# Altium PCB Bidir_Active_Rectifier-Main_Board.PcbDoc (part 1 of 3) (continued)
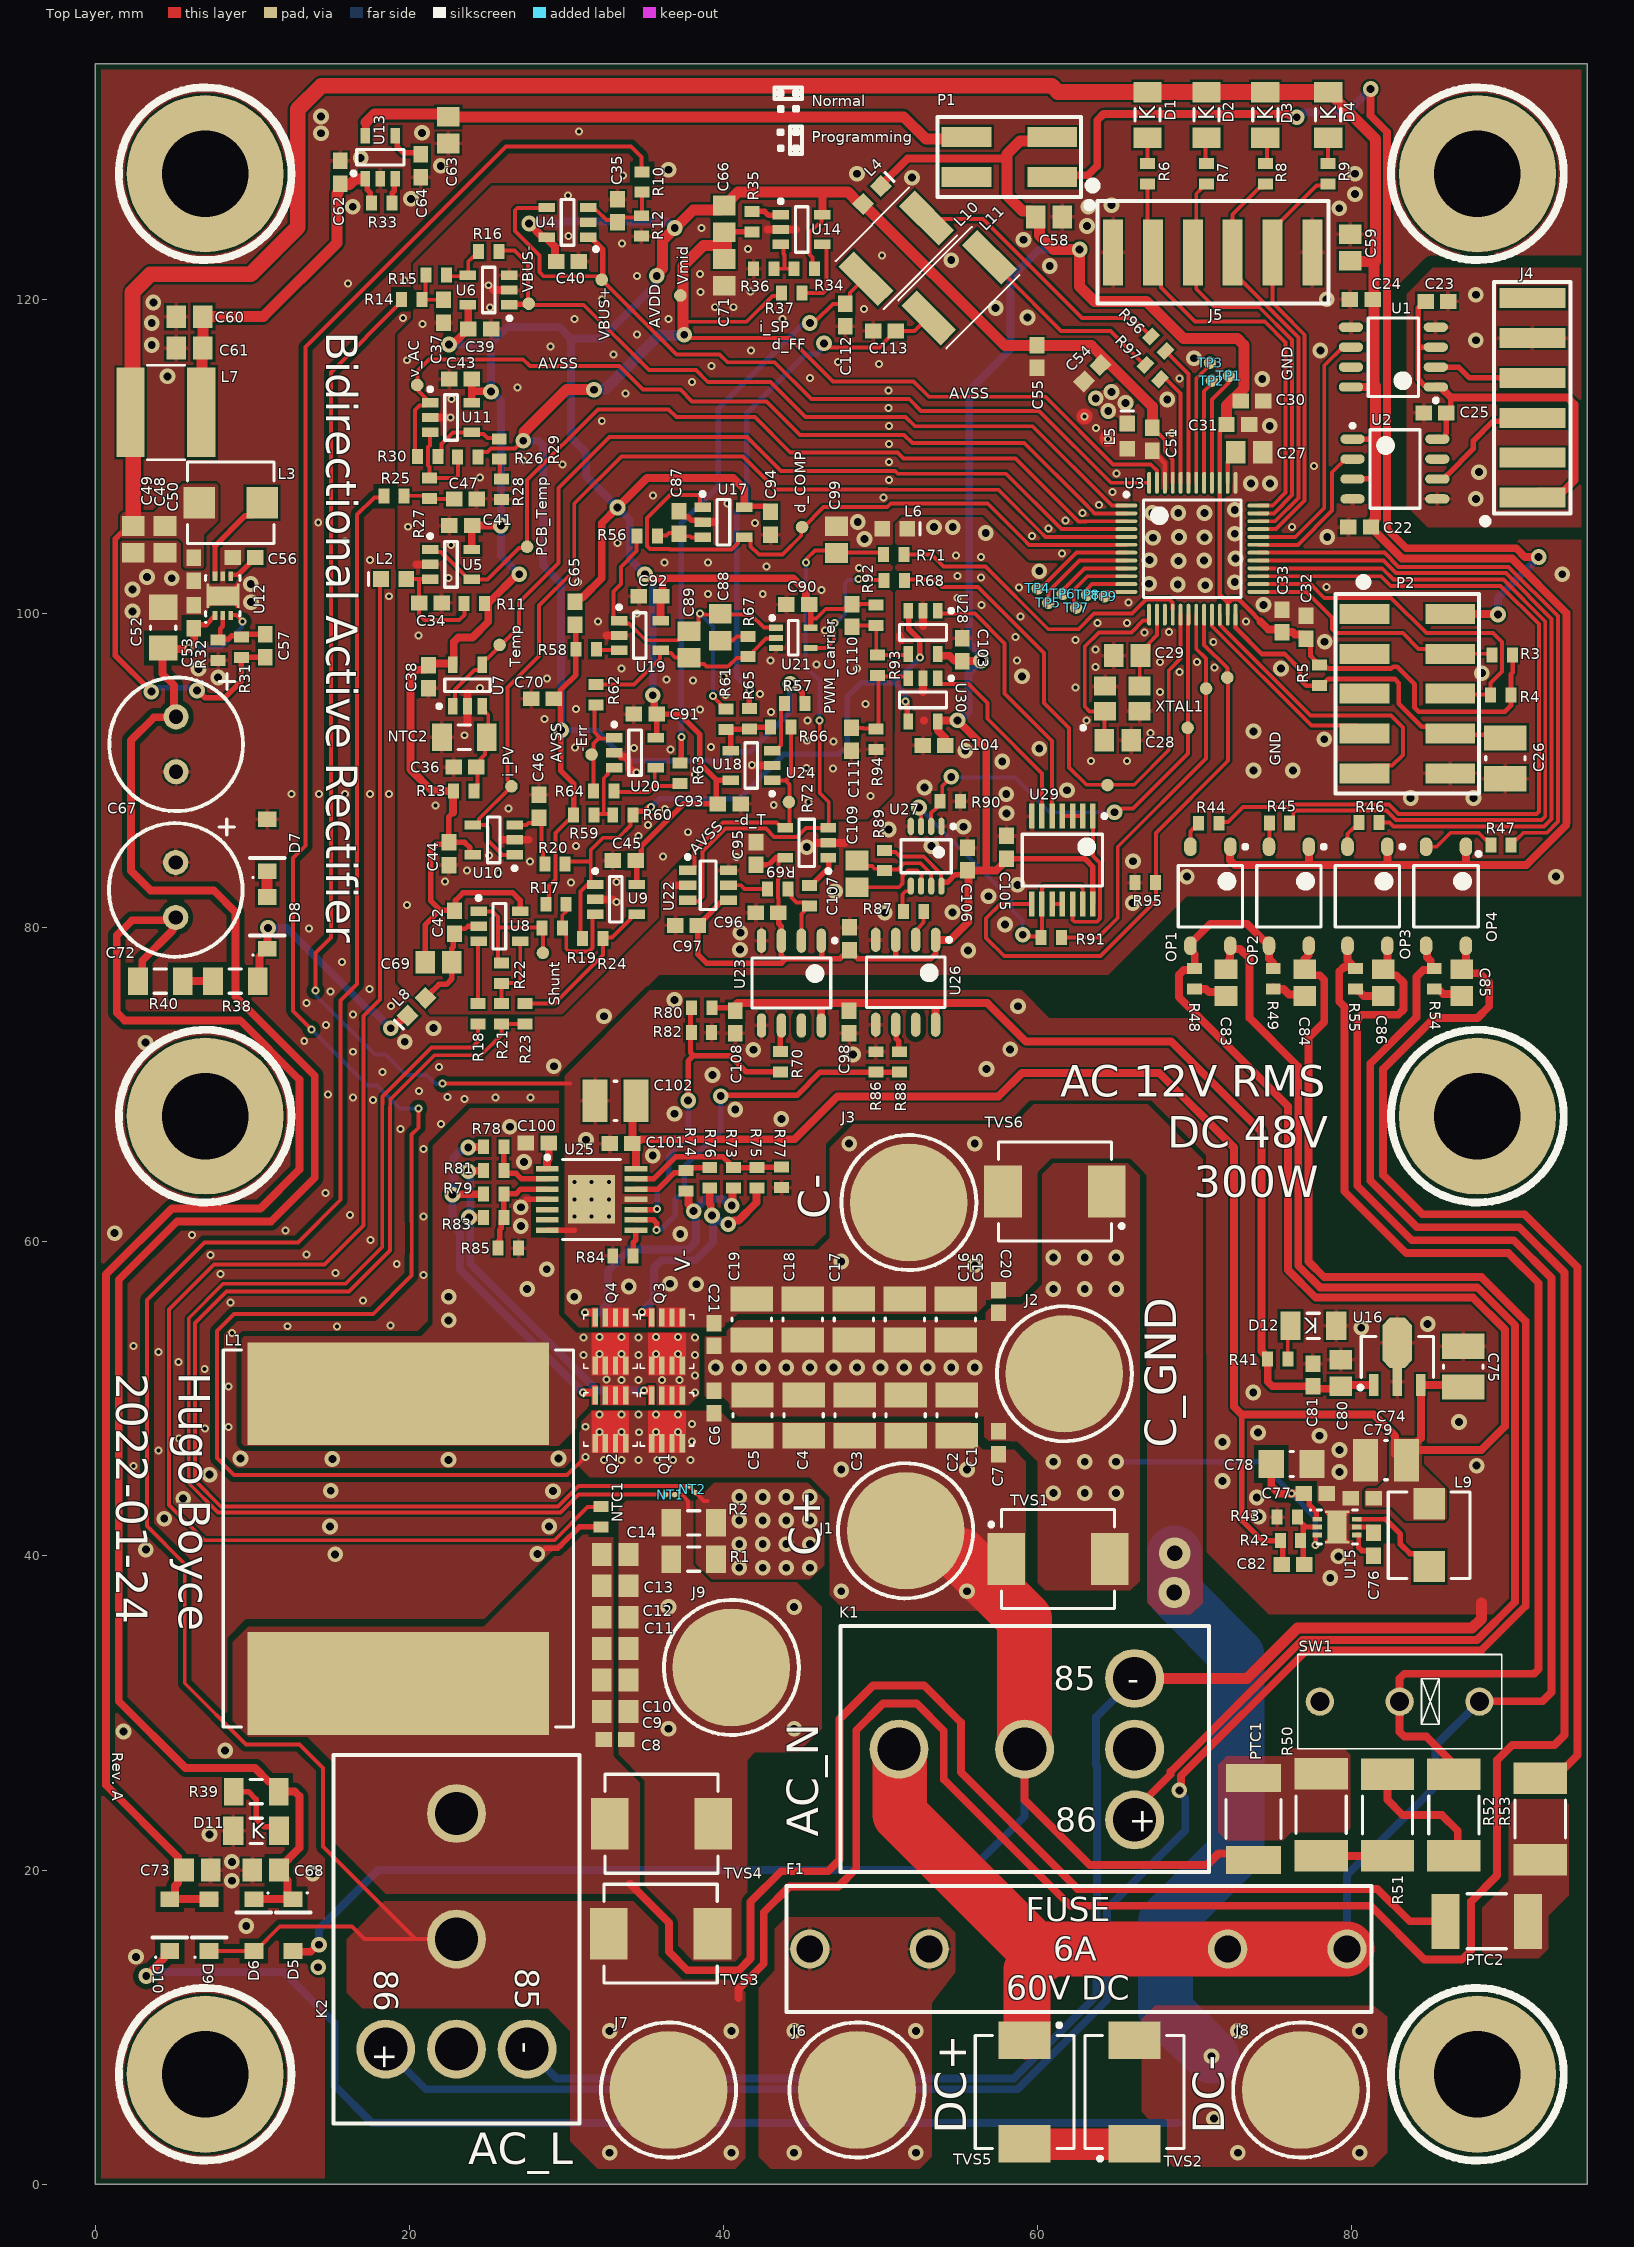
[diagram p0: Top Layer view]
## Part data (continued)
  C74: ClassName="Power Components"
C28 C29 C31 C32 C35 C37 C46 C47 C54 C55 C83 C84 C85 C86 C87 C88 C89 C109: "Capacitor", LatestRevisionDate=17-Jul-2002, LatestRevisionNote="Re-released for DXP Platform.", Published=8-Jun-2000, Publisher="Altium Limited"
  C28 C29: PackageDescription="Radial Cap, Thru-Hole; 2 Leads; 0.3 in Pin Spacing", PackageReference=RAD-0.3, Type=NP0/C0G
  C31 C32 C54 C55: ClassName="Power Components"
C48 C60 C63 C66: "Cap Ceramic 22uF 6.3V X5R 10% Pad SMD 0805 85°C T/R", Capacitance=22uF, Case Code (Imperial)=0805, Case Code (Metric)=2012, Manufacturer=Samsung, Max Operating Temperature=85°C, Min Operating Temperature=-55°C, Supplier Part Number 1=1276-6687-1-ND, Tolerance=10%, Voltage Rating=6.3V, Case/Package=0805, Category="Ceramic Capacitors", ComponentLink1Description=http://www.samsungsem.com/kr/support/product-search/mlcc/CL21A226KQCLRNC.jsp?src-supplier=Digi-Key, ComponentLink1URL=http://www.samsungsem.com/kr/support/product-search/mlcc/CL21A226KQCLRNC.jsp?src-supplier=Digi-Key, Length=0.079inch, Manufacturer Part Number=CL21A226KQCLRNC, Material=X5R, Mount="Surface Mount", Packaging="Tape and Reel", Pricing 1="1=0.17000, 10=0.12000, 50=0.06820, 100=0.05650, 500=0.03960, 1000=0.03278 (USD)", RoHS=Yes, RoHS Compliant=Yes, Stock 1=857293, Supplier 1=Digi-Key, Thickness=0.037inch, Width=0.049inch
  C48: ClassName="Power Components"
C49 C58 C59 C61 C71: "Cap Ceramic 22uF 6.3V X5R 10% Pad SMD 0805 85°C T/R", Case Code (Imperial)=0805, Case Code (Metric)=2012, Manufacturer=Samsung, Max Operating Temperature=85°C, Min Operating Temperature=-55°C, Supplier Part Number 1=1276-6687-1-ND, Tolerance=10%, Case/Package=0805, Category="Ceramic Capacitors", ComponentLink1Description=http://www.samsungsem.com/kr/support/product-search/mlcc/CL21A226KQCLRNC.jsp?src-supplier=Digi-Key, ComponentLink1URL=http://www.samsungsem.com/kr/support/product-search/mlcc/CL21A226KQCLRNC.jsp?src-supplier=Digi-Key, Length=0.079inch, Mount="Surface Mount", Packaging="Tape and Reel", Pricing 1="1=0.17000, 10=0.12000, 50=0.06820, 100=0.05650, 500=0.03960, 1000=0.03278 (USD)", RoHS=Yes, RoHS Compliant=Yes, Stock 1=857293, Supplier 1=Digi-Key, Thickness=0.037inch, Width=0.049inch
  C49: ClassName="Power Components", Material=X5R
  C58 C59 C61: Material=X5R
  C71: ClassName="Power Components"
C52 C78: "Ceramic capacitor SMD 1206 - 4700nF/25V, +-10%, X7R, Samsung, RoHS", Capacitance=4.7uF, Case Code (Imperial)=1206, Case Code (Metric)=3216, Dielectric=X7R, Manufacturer=Samsung, Max Operating Temperature=125°C, Min Operating Temperature=-55°C, Package Quantity=1, Supplier Part Number 1=1276-1055-1-ND, Tolerance=10%, Voltage=25V, Case/Package=1206, Category="Ceramic Capacitors", ClassName="Power Components", ComponentLink1Description=https://datasheet.ciiva.com/25728/cl31b475kahnnne-25728538.pdf?src-supplier=Digi-Key, ComponentLink1URL=https://datasheet.ciiva.com/25728/cl31b475kahnnne-25728538.pdf?src-supplier=Digi-Key, ComponentLink2Description=https://datasheet.ciiva.com/29200/452772-da-01-en-vs-kondensator-1206-29200897.pdf?src-supplier=Conrad, ComponentLink2URL=https://datasheet.ciiva.com/29200/452772-da-01-en-vs-kondensator-1206-29200897.pdf?src-supplier=Conrad, ComponentLink3Description=https://datasheet.ciiva.com/29200/452785-da-01-en-vs-kondensator-1206-29200901.pdf?src-supplier=Conrad, ComponentLink3URL=https://datasheet.ciiva.com/29200/452785-da-01-en-vs-kondensator-1206-29200901.pdf?src-supplier=Conrad, ComponentLink4Description=https://datasheet.ciiva.com/26310/mlcc-catalogdownload2013-eng-26310092.pdf?src-supplier=Distrelec, ComponentLink4URL=https://datasheet.ciiva.com/26310/mlcc-catalogdownload2013-eng-26310092.pdf?src-supplier=Distrelec, ComponentLink5Description=https://datasheet.ciiva.com/16428/cl10c1r5bb8nnnc-16428942.pdf?src-supplier=Future+Electronics, ComponentLink5URL=https://datasheet.ciiva.com/16428/cl10c1r5bb8nnnc-16428942.pdf?src-supplier=Future+Electronics, Construction=Flat, Contact Plating=Tin, Depth=1.6mm, Height=1.6mm, Lead Free="Lead Free", Length=3.2mm, Manufacturer Part Number=CL31B475KAHNNNE, Material=Ceramic, Mount="Surface Mount", Packaging="Tape and Reel", Pricing 1="1=0.20000, 10=0.13900, 50=0.08340, 100=0.07040, 500=0.04814, 1000=0.04258 (USD)", Radiation Hardening=No, RoHS=Yes, RoHS Compliant=Yes, Series=CL, Stock 1=200, Supplier 1=Digi-Key, Thickness=0.071inch, Voltage Rating=25V, Voltage Rating (DC)=25V, Width=0.063inch
C56 C76: "Cap Ceramic 1uF 25V X5R 10% SMD 0603 85°C Cardboard T/R", Capacitance=1uF, Case Code (Imperial)=0603, Case Code (Metric)=1608, Dielectric=X5R, Manufacturer=Samsung, Max Operating Temperature=85°C, Min Operating Temperature=-55°C, Package Quantity=1, Supplier Part Number 1=1276-1858-1-ND, Tolerance=10%, Voltage Rating=25V, Case/Package=0603, Category="Ceramic Capacitors", ComponentLink1Description=https://datasheet.ciiva.com/25779/cl10a105ka5lnnc-25779701.pdf?src-supplier=Digi-Key, ComponentLink1URL=https://datasheet.ciiva.com/25779/cl10a105ka5lnnc-25779701.pdf?src-supplier=Digi-Key, Construction=Flat, Depth=0.8mm, Height=0.5mm, Length=1.6mm, Manufacturer Part Number=CL10A105KA5LNNC, Mount="Surface Mount", Packaging="Tape and Reel", Radiation Hardening=No, RoHS=Yes, RoHS Compliant=Yes, Series=CL, Supplier 1=Digi-Key, Thickness=0.02inch, Width=0.031inch
  C56: ClassName="Power Components"
C57 C82: library part CC0603KPX7R9BB104, "0603 ±10% Tolerance  SMT Multilayer Ceramic Capacitor", Case Code (Imperial)=0603, Case Code (Metric)=1608, Dielectric=X7R, Manufacturer=Yageo, Max Operating Temperature=125°C, Min Operating Temperature=-55°C, Resistor Type=Ceramic, Supplier Part Number 1=311-3567-1-ND, Tolerance=10%, Voltage Rating=50V, Case/Package=0603, Category="Ceramic Capacitors", ComponentLink1Description=https://datasheet.ciiva.com/26829/getdatasheetpartid-653026-26829414.pdf?src-supplier=Verical, ComponentLink1URL=https://datasheet.ciiva.com/26829/getdatasheetpartid-653026-26829414.pdf?src-supplier=Verical, Depth=0.8mm, Halogen Free="Halogen Free", Height=0.8mm, Lead Free="Lead Free", Length=1.6mm, Mount="Surface Mount", Number of Pins=2, Packaging="Tape and Reel", Pricing 1="1=0.10000, 10=0.06200, 50=0.03380, 100=0.02760, 500=0.01972, 1000=0.01550, 2500=0.01409, 5000=0.01296 (USD)", Radiation Hardening=No, RoHS=Yes, RoHS Compliant=Yes, Series=CC, Stock 1=450496, Supplier 1=Digi-Key, Termination=SMD/SMT, Thickness=0.035inch, Voltage Rating (DC)=50V, Weight=7.1E-05oz, Width=0.031inch
C67 C72: "Cap Aluminum 330uF 35V 20% (8 X 20mm) Radial 3.5mm 1960mA 10000 hr 105°C Bulk", Capacitance=330uF, Case/Package=Radial, Dielectric Material=Aluminium, Leakage Current=3uA, Manufacturer=Rubycon, Max Operating Temperature=105°C, Min Operating Temperature=-40°C, Package Quantity=1000, Ripple Current=1.96A, Supplier Part Number 1=1189-1306-ND, Tolerance=20%, Voltage=35V, Category="Aluminum Electrolytic Capacitors", ComponentLink1Description=https://datasheet.ciiva.com/26878/getdatasheetpartid-443599-26878358.pdf?src-supplier=Verical, ComponentLink1URL=https://datasheet.ciiva.com/26878/getdatasheetpartid-443599-26878358.pdf?src-supplier=Verical, ComponentLink2Description=https://datasheet.ciiva.com/11782/0900766b80f2a00a-11782341.pdf?src-supplier=RSComponents, ComponentLink2URL=https://datasheet.ciiva.com/11782/0900766b80f2a00a-11782341.pdf?src-supplier=RSComponents, ComponentLink3Description=https://datasheet.ciiva.com/11691/e-zlj-11691238.pdf?src-supplier=Avnet, ComponentLink3URL=https://datasheet.ciiva.com/11691/e-zlj-11691238.pdf?src-supplier=Avnet, ComponentLink4Description=https://datasheet.ciiva.com/6327/e-zlj-6327223.pdf?src-supplier=Digi-Key, ComponentLink4URL=https://datasheet.ciiva.com/6327/e-zlj-6327223.pdf?src-supplier=Digi-Key, ComponentLink5Description=https://datasheet.ciiva.com/1456/610933-1456229.pdf?src-supplier=Element14, ComponentLink5URL=https://datasheet.ciiva.com/1456/610933-1456229.pdf?src-supplier=Element14, ComponentLink6Description=https://datasheet.ciiva.com/17513/e-zlj-17513181.pdf?src-supplier=Avnet+Europe, ComponentLink6URL=https://datasheet.ciiva.com/17513/e-zlj-17513181.pdf?src-supplier=Avnet+Europe, Construction=RADIAL, Diameter=8mm, Height=20mm, Height - Seated (Max)=0.866inch, Impedance=41mR, Lead Diameter=0.6mm, Lead Free="Lead Free", Lead Pitch=3.5mm, Life (Hours)=10000Hour, Manufacturer Part Number=35ZLJ330M8X20, Mount="Through Hole", Packaging=Bulk, Pricing 1="1=0.71000, 10=0.49900, 50=0.37760, 100=0.32880, 500=0.24356, 1000=0.20703, 2500=0.19486, 5000=0.18268 (USD)", Radiation Hardening=No, REACH SVHC=Unknown, RoHS=Yes, RoHS Compliant=Yes, Series=ZLJ, Stock 1=7116, Supplier 1=Digi-Key, Termination=Radial, Voltage Rating=35V, Voltage Rating (DC)=35V
C99: "Capacitor", Dielectric=C0G/NP0, ClassName="Power Components", LatestRevisionDate=17-Jul-2002, LatestRevisionNote="Re-released for DXP Platform.", Published=8-Jun-2000, Publisher="Altium Limited"
C100 C112 C113: "0603 0.47 uF 25V ±10 % Tolerance X7R SMT Multilayer Ceramic Capacitor", Capacitance=470nF, Case Code (Imperial)=0603, Case Code (Metric)=1608, Dielectric=X7R, Manufacturer=Murata, Max Operating Temperature=125°C, Min Operating Temperature=-55°C, Package Quantity=4000, Supplier Part Number 1=490-3291-1-ND, Tolerance=10%, Voltage=50V, Voltage Rating=25V, Case/Package=0603, Category="Ceramic Capacitors", ComponentLink1Description=https://datasheet.ciiva.com/134/grm188r71e474ka12-01-134310.pdf?src-supplier=Digi-Key, ComponentLink1URL=https://datasheet.ciiva.com/134/grm188r71e474ka12-01-134310.pdf?src-supplier=Digi-Key, ComponentLink2Description=https://datasheet.ciiva.com/34302/1857559-34302862.pdf?src-supplier=Jameco, ComponentLink2URL=https://datasheet.ciiva.com/34302/1857559-34302862.pdf?src-supplier=Jameco, ComponentLink3Description=https://datasheet.ciiva.com/16293/grm188r71e474ka12d-16293088.pdf?src-supplier=Future+Electronics, ComponentLink3URL=https://datasheet.ciiva.com/16293/grm188r71e474ka12d-16293088.pdf?src-supplier=Future+Electronics, ComponentLink4Description=https://datasheet.ciiva.com/7937/1747458-7937650.pdf?src-supplier=Element14, ComponentLink4URL=https://datasheet.ciiva.com/7937/1747458-7937650.pdf?src-supplier=Element14, ComponentLink5Description=https://datasheet.ciiva.com/29199/454518-da-01-en-vs-kondensator-0603-29199596.pdf?src-supplier=Conrad, ComponentLink5URL=https://datasheet.ciiva.com/29199/454518-da-01-en-vs-kondensator-0603-29199596.pdf?src-supplier=Conrad, ComponentLink6Description=https://datasheet.ciiva.com/134/grm188r71e474ka12-01-134308.pdf?src-supplier=Digi-Key, ComponentLink6URL=https://datasheet.ciiva.com/134/grm188r71e474ka12-01-134308.pdf?src-supplier=Digi-Key, ComponentLink7Description=https://datasheet.ciiva.com/134/grm188r71e474ka12-01-134309.pdf?src-supplier=Digi-Key, ComponentLink7URL=https://datasheet.ciiva.com/134/grm188r71e474ka12-01-134309.pdf?src-supplier=Digi-Key, ComponentLink8Description=https://datasheet.ciiva.com/22703/1747458-22703340.pdf?src-supplier=Element14, ComponentLink8URL=https://datasheet.ciiva.com/22703/1747458-22703340.pdf?src-supplier=Element14, Construction=Flat, Depth=0.8mm, Height=0.8mm, Lead Free="Lead Free", Length=1.6mm, Manufacturer Part Number=GRM188R71E474KA12D, Material=Ceramic, Mount="Surface Mount", Number of Pins=2, Packaging="Cut Tape", Pricing 1="1=0.21000, 10=0.14000, 50=0.08420, 100=0.07110, 500=0.04868, 1000=0.04306 (USD)", REACH SVHC="No SVHC", RoHS=Yes, RoHS Compliant=Yes, Series=GRM, Stock 1=745704, Supplier 1=Digi-Key, Termination=SMD/SMT, Thickness=0.035inch, Voltage Rating (DC)=25V, Width=0.031inch
  C100: ClassName="Power Components"
D1: "LED RED CLEAR 1206 SMD", Color=Blue, Current - Test=20mA, Lens Color=Colorless, Manufacturer="Wurth Electronics Inc.", Millicandela Rating=150mcd, Package / Case="1206 (3216 Metric)", Supplier Device Package=1206, Supplier Part Number 1=732-4991-1-ND, Voltage - Forward (Vf) (Typ)=2V, Category=Optoelectronics, ComponentLink1Description=http://katalog.we-online.de/led/datasheet/150120RS75000.pdf, ComponentLink1URL=http://katalog.we-online.de/led/datasheet/150120RS75000.pdf, Features=-, Height (Max)=0.69mm, Lens Style/Size="Rectangle with Flat Top, 2.00mm x 1.60mm", Lens Transparency=Clear, Mounting Type="Surface Mount", Packaging="Cut Tape (CT)", Part Status=Active, Pricing 1="1=0.27, 50=0.2582, 100=0.2211, 500=0.18952 (CAD)", RoHS="RoHS Compliant", Size / Dimension="3.20mm L x 1.60mm W", Stock 1=14076, Supplier 1=Digi-Key, Viewing Angle=140°, Wavelength - Dominant=625nm, Wavelength - Peak=630nm
D2: "LED RED CLEAR 1206 SMD", Color=Red, Current - Test=20mA, Lens Color=Colorless, Manufacturer="Wurth Electronics Inc.", Millicandela Rating=150mcd, Package / Case="1206 (3216 Metric)", Supplier Device Package=1206, Supplier Part Number 1=732-4991-1-ND, Voltage - Forward (Vf) (Typ)=2V, Category=Optoelectronics, ComponentLink1Description=http://katalog.we-online.de/led/datasheet/150120RS75000.pdf, ComponentLink1URL=http://katalog.we-online.de/led/datasheet/150120RS75000.pdf, Features=-, Height (Max)=0.69mm, Lens Style/Size="Rectangle with Flat Top, 2.00mm x 1.60mm", Lens Transparency=Clear, Mounting Type="Surface Mount", Packaging="Cut Tape (CT)", Part Status=Active, Pricing 1="1=0.27, 50=0.2582, 100=0.2211, 500=0.18952 (CAD)", RoHS="RoHS Compliant", Size / Dimension="3.20mm L x 1.60mm W", Stock 1=14076, Supplier 1=Digi-Key, Viewing Angle=140°, Wavelength - Dominant=625nm, Wavelength - Peak=630nm
D3: "LED RED CLEAR 1206 SMD", Color=Amber, Current - Test=20mA, Lens Color=Colorless, Manufacturer="Wurth Electronics Inc.", Millicandela Rating=150mcd, Package / Case="1206 (3216 Metric)", Supplier Device Package=1206, Supplier Part Number 1=732-4991-1-ND, Voltage - Forward (Vf) (Typ)=2V, Category=Optoelectronics, ComponentLink1Description=http://katalog.we-online.de/led/datasheet/150120RS75000.pdf, ComponentLink1URL=http://katalog.we-online.de/led/datasheet/150120RS75000.pdf, Features=-, Height (Max)=0.69mm, Lens Style/Size="Rectangle with Flat Top, 2.00mm x 1.60mm", Lens Transparency=Clear, Mounting Type="Surface Mount", Packaging="Cut Tape (CT)", Part Status=Active, Pricing 1="1=0.27, 50=0.2582, 100=0.2211, 500=0.18952 (CAD)", RoHS="RoHS Compliant", Size / Dimension="3.20mm L x 1.60mm W", Stock 1=14076, Supplier 1=Digi-Key, Viewing Angle=140°, Wavelength - Dominant=625nm, Wavelength - Peak=630nm
D4 D11: "LED RED CLEAR 1206 SMD", Color=Green, Current - Test=20mA, Lens Color=Colorless, Manufacturer="Wurth Electronics Inc.", Millicandela Rating=150mcd, Package / Case="1206 (3216 Metric)", Supplier Device Package=1206, Supplier Part Number 1=732-4991-1-ND, Voltage - Forward (Vf) (Typ)=2V, Category=Optoelectronics, ComponentLink1Description=http://katalog.we-online.de/led/datasheet/150120RS75000.pdf, ComponentLink1URL=http://katalog.we-online.de/led/datasheet/150120RS75000.pdf, Features=-, Height (Max)=0.69mm, Lens Style/Size="Rectangle with Flat Top, 2.00mm x 1.60mm", Lens Transparency=Clear, Mounting Type="Surface Mount", Packaging="Cut Tape (CT)", Part Status=Active, Pricing 1="1=0.27, 50=0.2582, 100=0.2211, 500=0.18952 (CAD)", RoHS="RoHS Compliant", Size / Dimension="3.20mm L x 1.60mm W", Stock 1=14076, Supplier 1=Digi-Key, Viewing Angle=140°, Wavelength - Dominant=625nm, Wavelength - Peak=630nm
D5 D6 D7 D8 D9 D10: "Standard Rectifier 1000V SOD-123", Manufacturer="Sangdest Microelectronics", Supplier Part Number 1=1655-1N4007FLCT-ND, Manufacturer Part Number=1N4007FLTR, Pricing 1="1=0.10000, 10=0.07500, 100=0.04070, 500=0.02508, 1000=0.01709 (USD)", RoHS=No, Stock 1=85812, Supplier 1=Digi-Key
D12: "LED RED CLEAR 1206 SMD", Color=White, Current - Test=20mA, Lens Color=Colorless, Manufacturer="Wurth Electronics Inc.", Millicandela Rating=150mcd, Package / Case="1206 (3216 Metric)", Supplier Device Package=1206, Supplier Part Number 1=732-4991-1-ND, Voltage - Forward (Vf) (Typ)=2V, Category=Optoelectronics, ComponentLink1Description=http://katalog.we-online.de/led/datasheet/150120RS75000.pdf, ComponentLink1URL=http://katalog.we-online.de/led/datasheet/150120RS75000.pdf, Features=-, Height (Max)=0.69mm, Lens Style/Size="Rectangle with Flat Top, 2.00mm x 1.60mm", Lens Transparency=Clear, Mounting Type="Surface Mount", Packaging="Cut Tape (CT)", Part Status=Active, Pricing 1="1=0.27, 50=0.2582, 100=0.2211, 500=0.18952 (CAD)", RoHS="RoHS Compliant", Size / Dimension="3.20mm L x 1.60mm W", Stock 1=14076, Supplier 1=Digi-Key, Viewing Angle=140°, Wavelength - Dominant=625nm, Wavelength - Peak=630nm
F1: "CLIP FUSE W/STOPS STR PC LEGS", Current Rating=15A, Manufacturer="Keystone Electronics", Package Quantity=1, Supplier Part Number 1=36-3510-ND, Voltage=1.025V, Body Material=Brass, Category="Fuse Holders", ComponentLink1Description=https://datasheet.ciiva.com/14618/70182254-14618458.pdf?src-supplier=Allied+Electronics, ComponentLink1URL=https://datasheet.ciiva.com/14618/70182254-14618458.pdf?src-supplier=Allied+Electronics, ComponentLink2Description=https://datasheet.ciiva.com/14618/70182781-14618461.pdf?src-supplier=Allied+Electronics, ComponentLink2URL=https://datasheet.ciiva.com/14618/70182781-14618461.pdf?src-supplier=Allied+Electronics, Contact Material=Brass, Contact Plating=Tin,Matte, Fuse Size="1/4\" Dia (6.35mm)", Height=10.7mm, Lead Free="Lead Free", Length=3.6mm, Manufacturer Part Number=3529, Material=Brass,Tin, Mount=Horizontal,PCB, Number of Circuits=1, Orientation=Horizontal, Packaging=Bulk, Pricing 1="1=0.43000, 25=0.34520, 100=0.28200, 250=0.25320, 500=0.24172, 1000=0.20142, 2500=0.18416, 5000=0.17265 (USD)", RoHS=Yes, Series=-, Size=0.28inch, Stock 1=768, Supplier 1=Digi-Key, Termination="PC Pin"
J1 J2 J3 J6 J7 J8 J9: "TERM PWR ELEMENT M4 1PIN SMD", Current Rating=50A, Manufacturer="Wurth Electronics", Supplier Part Number 1=732-5652-1-ND, Category=Terminals, ClassName="Power Components", ComponentLink1Description=https://katalog.we-online.de/em/datasheet/7466204.pdf?src-supplier=Digi-Key, ComponentLink1URL=https://katalog.we-online.de/em/datasheet/7466204.pdf?src-supplier=Digi-Key, Contact Material=Brass, Contact Plating=Tin, Manufacturer Part Number=7466204R, Mount="Surface Mount", Number of Pins=1, Pricing 1="1=2.48000, 10=2.35200, 50=2.12800, 100=1.90400 (USD)", RoHS=Yes, Stock 1=4768, Supplier 1=Digi-Key, Termination=Power, Thread Size=M4
J4 J5: "FCI 2.54mm 6 Way 1 Row Straight PCB Socket Surface Mount Socket Strip", Color=Grey, Contact Resistance=20mR, Manufacturer="Amphenol ICC / FCI", Max Operating Temperature=125°C, Max Voltage Rating (AC)=1kV, Min Operating Temperature=-65°C, Package Quantity=38, Supplier Part Number 1=609-6018-ND, Category="Headers and Wire Housings", ComponentLink1Description=https://datasheet.ciiva.com/13856/91601-255308-13856547.pdf?src-supplier=Mouser, ComponentLink1URL=https://datasheet.ciiva.com/13856/91601-255308-13856547.pdf?src-supplier=Mouser, ComponentLink2Description=https://datasheet.ciiva.com/11748/0900766b80d7a562-11748521.pdf?src-supplier=RSComponents, ComponentLink2URL=https://datasheet.ciiva.com/11748/0900766b80d7a562-11748521.pdf?src-supplier=RSComponents, ComponentLink3Description=https://datasheet.ciiva.com/412/91601-412064.pdf?src-supplier=Digi-Key, ComponentLink3URL=https://datasheet.ciiva.com/412/91601-412064.pdf?src-supplier=Digi-Key, ComponentLink4Description=https://datasheet.ciiva.com/10146/91601-10146745.pdf?src-supplier=Avnet, ComponentLink4URL=https://datasheet.ciiva.com/10146/91601-10146745.pdf?src-supplier=Avnet, ComponentLink5Description=https://datasheet.ciiva.com/16657/91601-16657479.pdf?src-supplier=Avnet+Europe, ComponentLink5URL=https://datasheet.ciiva.com/16657/91601-16657479.pdf?src-supplier=Avnet+Europe, Connector Type=Receptacle, Contact Material=Bronze, Contact Plating=Gold, Depth=4.4mm, Gender=Receptacle, Housing Color=Grey, Housing Material=Thermoplastic, Length=15.16mm, Manufacturer Part Number=91601-306LF, Mount="Surface Mount", Number of Contacts=6, Number of Positions=6, Number of Rows=1, Orientation=Straight, Packaging=Rail/Tube, Pitch=2.54mm, Pricing 1="1=1.14000, 38=0.92395, 114=0.86509, 456=0.70781, 950=0.62916, 4902=0.55051, 9804=0.52430 (USD)", Radiation Hardening=No, REACH SVHC="No SVHC", RoHS=Yes, Series="DUBOX™, MezzSelect™, Basics+", Stock 1=3566, Supplier 1=Digi-Key, Termination=Solder, Voltage Rating=1kV
K1 K2: "PC mount relay SPDT w/ diode", Manufacturer="CIT Relay & Switch", Supplier Part Number 1=2449-A11CSP12VDC1.2D-ND, ClassName="Power Components", Manufacturer Part Number=A11CSP12VDC1.2D, Pricing 1="1=1.66000, 10=1.55300, 25=1.38000, 50=1.31100, 100=1.24200, 250=1.10400, 500=1.03500, 1000=0.96600, 5000=0.93150 (USD)", RoHS=No, Stock 1=472, Supplier 1=Digi-Key
L1: "Inductor Power Shielded/Molded Wirewound 4.7uH 20% 100KHz 47A 0.0022Ohm DCR Automotive T/R", Manufacturer=Pulse, Supplier Part Number 1=553-4047-1-ND, Category="Fixed Inductors", Class Name="Power Components", ClassName="Power Components", ComponentLink1Description=http://www.farnell.com/datasheets/2675074.pdf?src-supplier=Farnell, ComponentLink1URL=http://www.farnell.com/datasheets/2675074.pdf?src-supplier=Farnell, ComponentLink2Description=http://www.farnell.com/datasheets/2675074.pdf?src-supplier=Newark, ComponentLink2URL=http://www.farnell.com/datasheets/2675074.pdf?src-supplier=Newark, Manufacturer Part Number=PA4349.472ANLT, Pricing 1="1=6.52000, 10=5.92500, 25=5.33240 (USD)", RoHS=Yes, Stock 1=2552, Supplier 1=Digi-Key
L2: library part BLM18KG471SN1D, Case Code (Imperial)=0603, Case Code (Metric)=1608, Current Rating=1.5A, DC Resistance (DCR)=130mR, Manufacturer=Murata, Max Operating Temperature=125°C, Min Operating Temperature=-55°C, Package Quantity=1, Supplier Part Number 1=490-5257-1-ND, Test Frequency=100MHz, Tolerance=25%, Case/Package=0603, Category="Ferrite Beads and Chips", ComponentLink1Description=https://datasheet.ciiva.com/11795/0900766b81076276-11795744.pdf?src-supplier=RSComponents, ComponentLink1URL=https://datasheet.ciiva.com/11795/0900766b81076276-11795744.pdf?src-supplier=RSComponents, ComponentLink2Description=https://datasheet.ciiva.com/1012/l0110e-1012311.pdf?src-supplier=Digi-Key, ComponentLink2URL=https://datasheet.ciiva.com/1012/l0110e-1012311.pdf?src-supplier=Digi-Key, ComponentLink3Description=https://datasheet.ciiva.com/1012/l0110e-1012313.pdf?src-supplier=Digi-Key, ComponentLink3URL=https://datasheet.ciiva.com/1012/l0110e-1012313.pdf?src-supplier=Digi-Key, ComponentLink4Description=https://datasheet.ciiva.com/1012/l0110e-1012312.pdf?src-supplier=Digi-Key, ComponentLink4URL=https://datasheet.ciiva.com/1012/l0110e-1012312.pdf?src-supplier=Digi-Key, ComponentLink5Description=https://datasheet.ciiva.com/8510/l0110s0100blm18k-8510906.pdf?src-supplier=Avnet, ComponentLink5URL=https://datasheet.ciiva.com/8510/l0110s0100blm18k-8510906.pdf?src-supplier=Avnet, ComponentLink6Description=https://datasheet.ciiva.com/16419/l0110s0100blm18k-16419180.pdf?src-supplier=Future+Electronics, ComponentLink6URL=https://datasheet.ciiva.com/16419/l0110s0100blm18k-16419180.pdf?src-supplier=Future+Electronics, ComponentLink7Description=https://datasheet.ciiva.com/22715/486545-22715705.pdf?src-supplier=Element14, ComponentLink7URL=https://datasheet.ciiva.com/22715/486545-22715705.pdf?src-supplier=Element14, Core Material=Ferrite, DC Resistance-Max=130mR, Depth=0.95mm, Height=0.8mm, Impedance=470R@100MHz, Lead Free="Lead Free", Length=1.6mm, Manufacturer Part Number=BLM18KG471SN1D, Material=Ferrite,Steel, Max Current Rating=1.5A, Max DC Current=1.5A, Number of Circuits=1, Number of Lines=1, Number of Pins=2, Packaging="Tape and Reel", Pricing 1="1=0.10000, 10=0.07900, 25=0.07200, 50=0.06480, 100=0.04750, 250=0.03456, 500=0.03168, 1000=0.02736 (USD)", REACH SVHC="No SVHC", RoHS=Yes, RoHS Compliant=Yes, Series=BLM18K, Stock 1=141920, Supplier 1=Digi-Key, Termination=SMD/SMT, Width=0.8mm
L3: "Inductor Power Shielded Wirewound 4.7uH 30% 100KHz Ferrite 2.1A 0.078Ohm DCR Automotive T/R", DC Resistance (DCR)=60mR, Inductance=4.7uH, Inductance Tolerance=30%, Manufacturer=TDK, RMS Current (Irms)=2.1A, Saturation Current=2.43A, Supplier Part Number 1=445-174697-1-ND, Category="Fixed Inductors", ClassName="Power Components", ComponentLink1Description=http://www.farnell.com/datasheets/2159122.pdf?src-supplier=Farnell, ComponentLink1URL=http://www.farnell.com/datasheets/2159122.pdf?src-supplier=Farnell, ComponentLink2Description=https://media.digikey.com/pdf/Data%20Sheets/TDK%20PDFs/CLF5030NIT-D_Spec.pdf?src-supplier=Digi-Key, ComponentLink2URL=https://media.digikey.com/pdf/Data%20Sheets/TDK%20PDFs/CLF5030NIT-D_Spec.pdf?src-supplier=Digi-Key, ComponentLink3Description=https://product.tdk.com/info/en/catalog/datasheets/inductor_automotive_power_clf5030ni-d_en.pdf?src-supplier=Digi-Key, ComponentLink3URL=https://product.tdk.com/info/en/catalog/datasheets/inductor_automotive_power_clf5030ni-d_en.pdf?src-supplier=Digi-Key, Manufacturer Part Number=CLF5030NIT-4R7N-D, Mount="Surface Mount", Packaging="Cut Tape", Pricing 1="1=1.04000, 10=0.96500, 25=0.89120, 50=0.74240, 100=0.69800, 250=0.62368, 500=0.53460, 1000=0.47520 (USD)", REACH SVHC="No SVHC", RoHS=Yes, RoHS Compliant=Yes, Stock 1=300, Supplier 1=Digi-Key
L4 L5 L6 L8: library part BLM18KG471SN1D, "Ind Chip Bead Multi-Layer 470Ohm 25% 100MHz Ferrite 1.5A 0603 Paper T/R", Case Code (Imperial)=0603, Case Code (Metric)=1608, Current Rating=1.5A, DC Resistance (DCR)=130mR, Manufacturer=Murata, Max Operating Temperature=125°C, Min Operating Temperature=-55°C, Package Quantity=1, Supplier Part Number 1=490-5257-1-ND, Test Frequency=100MHz, Tolerance=25%, Case/Package=0603, Category="Ferrite Beads and Chips", ComponentLink1Description=https://datasheet.ciiva.com/11795/0900766b81076276-11795744.pdf?src-supplier=RSComponents, ComponentLink1URL=https://datasheet.ciiva.com/11795/0900766b81076276-11795744.pdf?src-supplier=RSComponents, ComponentLink2Description=https://datasheet.ciiva.com/1012/l0110e-1012311.pdf?src-supplier=Digi-Key, ComponentLink2URL=https://datasheet.ciiva.com/1012/l0110e-1012311.pdf?src-supplier=Digi-Key, ComponentLink3Description=https://datasheet.ciiva.com/1012/l0110e-1012313.pdf?src-supplier=Digi-Key, ComponentLink3URL=https://datasheet.ciiva.com/1012/l0110e-1012313.pdf?src-supplier=Digi-Key, ComponentLink4Description=https://datasheet.ciiva.com/1012/l0110e-1012312.pdf?src-supplier=Digi-Key, ComponentLink4URL=https://datasheet.ciiva.com/1012/l0110e-1012312.pdf?src-supplier=Digi-Key, ComponentLink5Description=https://datasheet.ciiva.com/8510/l0110s0100blm18k-8510906.pdf?src-supplier=Avnet, ComponentLink5URL=https://datasheet.ciiva.com/8510/l0110s0100blm18k-8510906.pdf?src-supplier=Avnet, ComponentLink6Description=https://datasheet.ciiva.com/16419/l0110s0100blm18k-16419180.pdf?src-supplier=Future+Electronics, ComponentLink6URL=https://datasheet.ciiva.com/16419/l0110s0100blm18k-16419180.pdf?src-supplier=Future+Electronics, ComponentLink7Description=https://datasheet.ciiva.com/22715/486545-22715705.pdf?src-supplier=Element14, ComponentLink7URL=https://datasheet.ciiva.com/22715/486545-22715705.pdf?src-supplier=Element14, Core Material=Ferrite, DC Resistance-Max=130mR, Depth=0.95mm, Height=0.8mm, Impedance=470R@100MHz, Lead Free="Lead Free", Length=1.6mm, Manufacturer Part Number=BLM18KG471SN1D, Material=Ferrite,Steel, Max Current Rating=1.5A, Max DC Current=1.5A, Number of Circuits=1, Number of Lines=1, Number of Pins=2, Packaging="Tape and Reel", Pricing 1="1=0.10000, 10=0.07900, 25=0.07200, 50=0.06480, 100=0.04750, 250=0.03456, 500=0.03168, 1000=0.02736 (USD)", REACH SVHC="No SVHC", RoHS=Yes, RoHS Compliant=Yes, Series=BLM18K, Stock 1=141920, Supplier 1=Digi-Key, Termination=SMD/SMT, Width=0.8mm
  L5 L6: ClassName="Power Components"
L7: "Inductor Power Shielded Wirewound 330uH 20% 100KHz 0.57A 1.27Ohm DCR 2424 T/R", Case/Package=Nonstandard, Current Rating=570mA, DC Resistance (DCR)=1.27R, Inductance=330uH, Manufacturer=Abracon, Max DC Current=470mA, Max Operating Temperature=125°C, Min Operating Temperature=-40°C, Package Quantity=1500, Resistor Type=Wirewound, Self Resonant Frequency=2.8MHz, Supplier Part Number 1=ASPI-6045S-331M-TCT-ND, Test Frequency=100kHz, Tolerance=20%, Category="Fixed Inductors", ComponentLink1Description=https://datasheet.ciiva.com/1080/aspi-6045s-1080198.pdf?src-supplier=Digi-Key, ComponentLink1URL=https://datasheet.ciiva.com/1080/aspi-6045s-1080198.pdf?src-supplier=Digi-Key, ComponentLink2Description=https://datasheet.ciiva.com/1080/aspi-6045s-1080199.pdf?src-supplier=Digi-Key, ComponentLink2URL=https://datasheet.ciiva.com/1080/aspi-6045s-1080199.pdf?src-supplier=Digi-Key, ComponentLink3Description=https://datasheet.ciiva.com/8518/aspi-6045s-8518487.pdf?src-supplier=Avnet, ComponentLink3URL=https://datasheet.ciiva.com/8518/aspi-6045s-8518487.pdf?src-supplier=Avnet, Core Material=Ferrite, Height=4.5mm, Height - Seated (Max)=0.177inch, Lead Free="Lead Free", Length=0.236inch, Mount="Surface Mount", Packaging="Tape and Reel", Pricing 1="1=0.65000, 10=0.57100, 25=0.53040, 50=0.44880, 100=0.40800, 250=0.38352, 500=0.34272 (USD)", RoHS=Yes, RoHS Compliant=Yes, Saturation Current=570mA, Series=ASPI-6045S, Shielding=Shielded, Stock 1=10262, Supplier 1=Digi-Key, Termination=SMD/SMT, Width=0.236inch
L9: "Inductor Power Shielded Wirewound 10uH 20% 100KHz Ferrite 1.7A 0.114Ohm DCR Automotive T/R", DC Resistance (DCR)=95mR, Inductance=10uH, Inductance Tolerance=20%, Manufacturer=TDK, RMS Current (Irms)=1.7A, Saturation Current=1.6A, Supplier Part Number 1=445-174699-1-ND, Category="Fixed Inductors", ClassName="Power Components", ComponentLink1Description=http://www.farnell.com/datasheets/2159122.pdf?src-supplier=Farnell, ComponentLink1URL=http://www.farnell.com/datasheets/2159122.pdf?src-supplier=Farnell, ComponentLink2Description=https://media.digikey.com/pdf/Data%20Sheets/TDK%20PDFs/CLF5030NIT-D_Spec.pdf?src-supplier=Digi-Key, ComponentLink2URL=https://media.digikey.com/pdf/Data%20Sheets/TDK%20PDFs/CLF5030NIT-D_Spec.pdf?src-supplier=Digi-Key, ComponentLink3Description=http://www.farnell.com/datasheets/2159122.pdf?src-supplier=Element14, ComponentLink3URL=http://www.farnell.com/datasheets/2159122.pdf?src-supplier=Element14, ComponentLink4Description=http://www.farnell.com/datasheets/2159122.pdf?src-supplier=Newark, ComponentLink4URL=http://www.farnell.com/datasheets/2159122.pdf?src-supplier=Newark, Manufacturer Part Number=CLF5030NIT-100M-D, Mount="Surface Mount", Packaging="Cut Tape", Pricing 1="1=1.04000, 10=0.96500, 25=0.89120, 50=0.74240, 100=0.69800, 250=0.62368, 500=0.53460, 1000=0.47520 (USD)", REACH SVHC="No SVHC", RoHS=Yes, RoHS Compliant=Yes, Stock 1=2756, Supplier 1=Digi-Key
L10 L11: library part SRE6603-103M, "Inductor Power Shielded Wirewound 10000uH 20% 100KHz 50Q-Factor Ferrite 0.02A 32.8Ohm DCR T/R", Case/Package=Nonstandard, Current Rating=20mA, DC Resistance (DCR)=32.8R, Inductance=10mH, Inductance Tolerance=20%, Manufacturer=Bourns, Max Operating Temperature=105°C, Min Operating Temperature=-25°C, Package Quantity=2000, Resistor Type=Wirewound, Saturation Current=17mA, Self Resonant Frequency=800kHz, Supplier Part Number 1=SRE6603-103MCT-ND, Test Frequency=100kHz, Category="Fixed Inductors", ComponentLink1Description=https://datasheet.ciiva.com/22697/1790249-22697344.pdf?src-supplier=Element14, ComponentLink1URL=https://datasheet.ciiva.com/22697/1790249-22697344.pdf?src-supplier=Element14, ComponentLink2Description=https://datasheet.ciiva.com/6703/sre6603-6703804.pdf?src-supplier=Digi-Key, ComponentLink2URL=https://datasheet.ciiva.com/6703/sre6603-6703804.pdf?src-supplier=Digi-Key, ComponentLink3Description=https://datasheet.ciiva.com/7849/1790249-7849416.pdf?src-supplier=Element14, ComponentLink3URL=https://datasheet.ciiva.com/7849/1790249-7849416.pdf?src-supplier=Element14, ComponentLink4Description=https://datasheet.ciiva.com/17284/sre6603-17284839.pdf?src-supplier=Avnet+Europe, ComponentLink4URL=https://datasheet.ciiva.com/17284/sre6603-17284839.pdf?src-supplier=Avnet+Europe, Core Material=Ferrite, DC Current=20mA, Depth=4.45mm, Height=2.92mm, Height - Seated (Max)=0.115inch, Length=6.6mm, Manufacturer Part Number=SRE6603-103M, Max DC Current=20mA, Military Standard=Not, Mount="Surface Mount", Number of Pins=2, Packaging="Tape and Reel", Pricing 1="1=1.00000, 10=0.93000, 25=0.85800, 50=0.71500, 100=0.67210, 250=0.60060, 500=0.51480, 1000=0.45760 (USD)", Q Factor=50, REACH SVHC="No SVHC", RMS Current (Irms)=20mA, RoHS=Yes, Series=SRE6603, Shielding=Shielded, Stock 1=3198, Supplier 1=Digi-Key, Termination=SMD/SMT, Tolerance=20%, Width=4.45mm
NTC1: "MURATA - NCU18XH103F60RB - Thermistor, NTC, 10 kohm, NCU Series, 3380 K, SMD, 0603 [1608 Metric]", Case Code (Imperial)=0603, Case Code (Metric)=1608, Manufacturer=Murata, Max Operating Temperature=125°C, Min Operating Temperature=-40°C, Supplier Part Number 1=490-16279-1-ND, Case/Package=0603, Category=Thermistors, ComponentLink1Description=http://www.farnell.com/datasheets/2095755.pdf?src-supplier=Farnell, ComponentLink1URL=http://www.farnell.com/datasheets/2095755.pdf?src-supplier=Farnell, ComponentLink2Description=https://www.murata.com/en-us/products/productdata/8796836233246/L0770E.pdf?src-supplier=Digi-Key, ComponentLink2URL=https://www.murata.com/en-us/products/productdata/8796836233246/L0770E.pdf?src-supplier=Digi-Key, ComponentLink3Description=http://www.farnell.com/datasheets/2095755.pdf?src-supplier=Element14, ComponentLink3URL=http://www.farnell.com/datasheets/2095755.pdf?src-supplier=Element14, ComponentLink4Description=http://www.farnell.com/datasheets/2095755.pdf?src-supplier=Newark, ComponentLink4URL=http://www.farnell.com/datasheets/2095755.pdf?src-supplier=Newark, Manufacturer Part Number=NCU18XH103F60RB, Pricing 1="1=0.12000, 5=0.10600, 10=0.09400, 25=0.08360, 50=0.07360, 100=0.06270, 500=0.05182, 1000=0.04338 (USD)", REACH SVHC="No SVHC", RoHS=Yes, RoHS Compliant=Yes, Supplier 1=Digi-Key
NTC2: "MURATA - NCU18XH103F60RB - Thermistor, NTC, 10 kohm, NCU Series, 3380 K, SMD, 0603 [1608 Metric]", ComponentLink1Description=http://www.farnell.com/datasheets/2095755.pdf?src-supplier=Farnell, ComponentLink1URL=http://www.farnell.com/datasheets/2095755.pdf?src-supplier=Farnell, ComponentLink2Description=https://www.murata.com/en-us/products/productdata/8796836233246/L0770E.pdf?src-supplier=Digi-Key, ComponentLink2URL=https://www.murata.com/en-us/products/productdata/8796836233246/L0770E.pdf?src-supplier=Digi-Key, ComponentLink3Description=http://www.farnell.com/datasheets/2095755.pdf?src-supplier=Element14, ComponentLink3URL=http://www.farnell.com/datasheets/2095755.pdf?src-supplier=Element14, ComponentLink4Description=http://www.farnell.com/datasheets/2095755.pdf?src-supplier=Newark, ComponentLink4URL=http://www.farnell.com/datasheets/2095755.pdf?src-supplier=Newark, DNP=DNP
OP1 OP2 OP3 OP4: "MOSFET Output Optocouplers Photorelay Voff=200V Ion=0.2A", Case/Package=SOP, Input Current=50mA, Isolation Voltage=1.5kV, Load Current=200mA, Manufacturer=Toshiba, Max Input Voltage=1.3V, Max Operating Temperature=85°C, Max Output Voltage=200V, Min Operating Temperature=-40°C, On-State Resistance=8R, Package Quantity=100, Supplier Part Number 1=TLP176DF-ND, Category="Solid State Relays", ComponentLink1Description=https://datasheet.ciiva.com/2426/dst-tlp176d-tde-en-4427-2426192.pdf?src-supplier=Digi-Key, ComponentLink1URL=https://datasheet.ciiva.com/2426/dst-tlp176d-tde-en-4427-2426192.pdf?src-supplier=Digi-Key, ComponentLink2Description=https://datasheet.ciiva.com/12088/4427-42830-12088767.pdf?src-supplier=Mouser, ComponentLink2URL=https://datasheet.ciiva.com/12088/4427-42830-12088767.pdf?src-supplier=Mouser, Input Type=DC, Manufacturer Part Number=TLP176D(F), Max Input Current=50mA, Max Output Current=200mA, Mount="Surface Mount", Number of Channels=1, Number of Pins=4, Output Current=200mA, Packaging=Bulk, Pricing 1="1=1.55000, 10=1.45400, 25=1.29280, 50=1.22820, 100=1.16350, 250=1.03424, 500=0.96960, 1000=0.90496, 5000=0.87264 (USD)", Radiation Hardening=No, Relay Type=Relay, RoHS=Yes, RoHS Compliant=Yes, Series=TLP176D, Stock 1=1869, Supplier 1=Digi-Key, Termination="Gull Wing", Throw Configuration=SPST
P1: "Conn Unshrouded Header HDR 4 POS 2.54mm Solder ST SMD Poly Bag", Manufacturer="Amphenol ICC / FCI", Supplier Part Number 1=10129383-904001BLF-ND, Category=Connectors, Manufacturer Part Number=10129383-904001BLF, Pricing 1="6000=0.05651 (USD)", RoHS=No, Supplier 1=Digi-Key
P2: "Conn Unshrouded Header HDR 10 POS 2.54mm Solder ST SMD T/R", Manufacturer="Amphenol ICC / FCI", Supplier Part Number 1=609-10129383-910001ALFCT-ND, Category=Connectors, Manufacturer Part Number=10129383-910001ALF, Pricing 1="1=0.29000, 10=0.24800, 100=0.19320 (USD)", RoHS=No, Stock 1=304, Supplier 1=Digi-Key